# Allegro board HI3516ADMEB_VER_C_PCB.brd (continued)
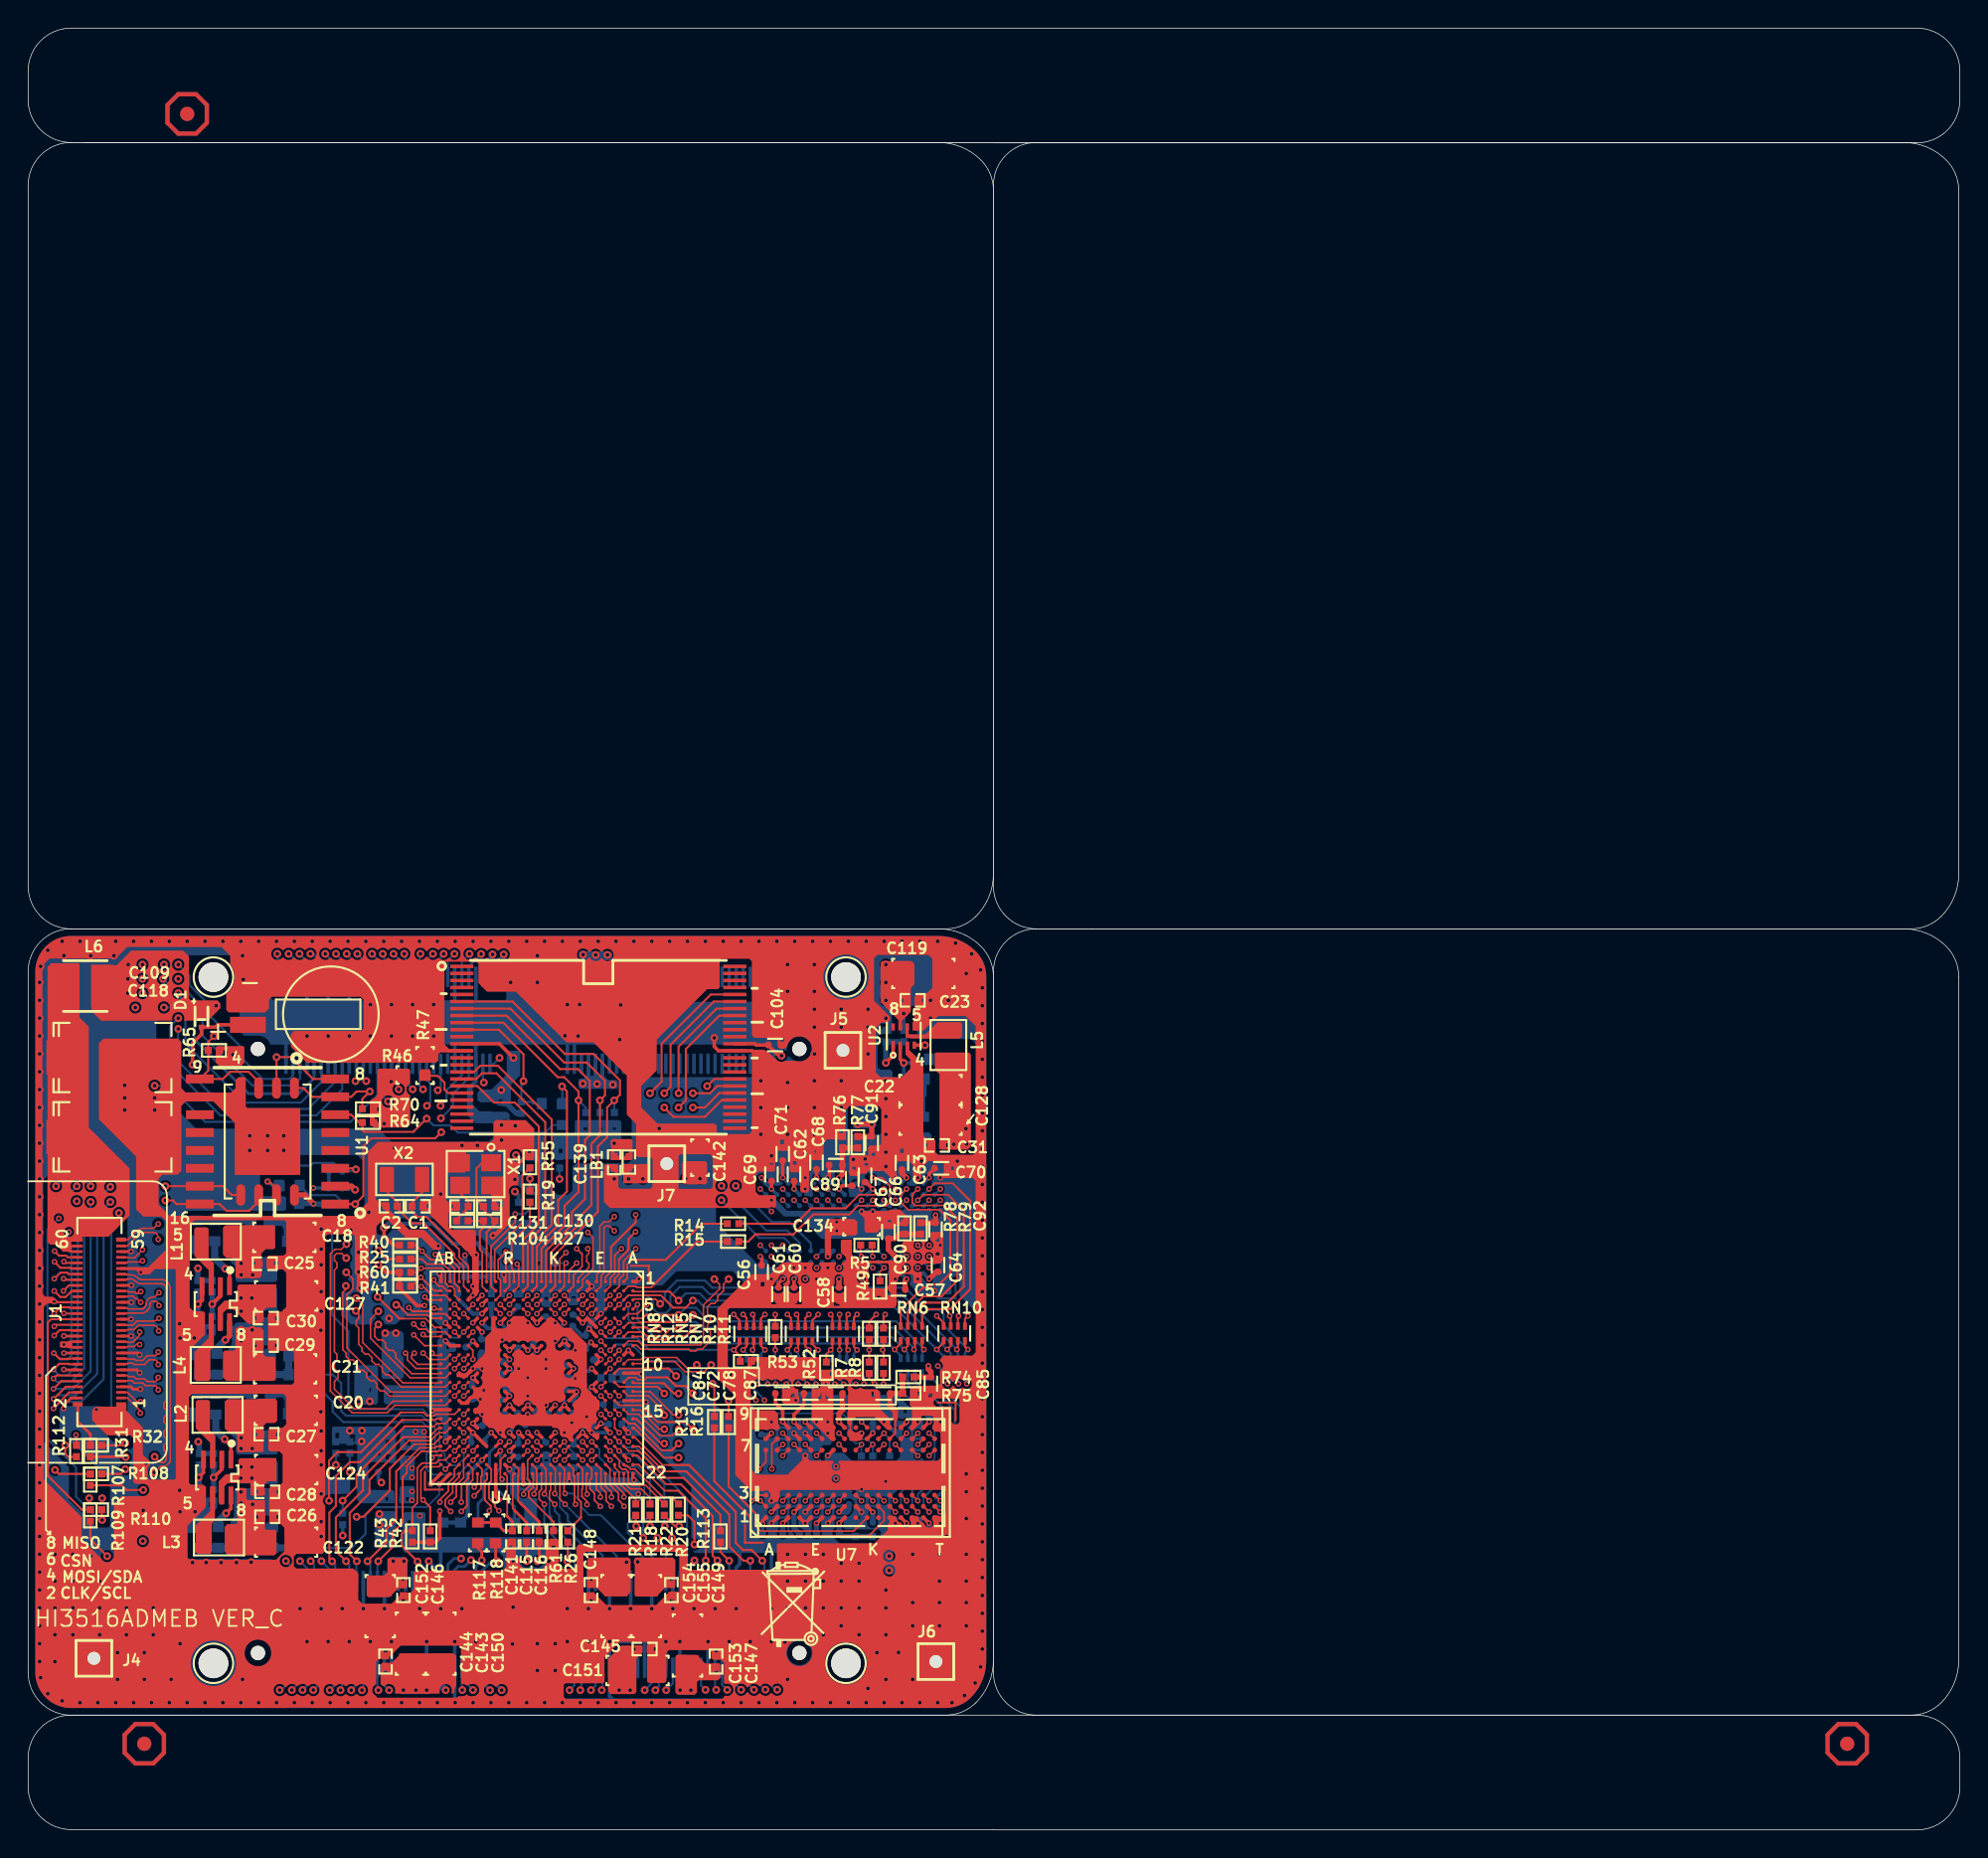
[diagram p0: board, top side]
## Routing (per net, layer and track width the routed paths; a pad name or vN(x,y) marks a point on that pad's centre or on a via; arc(x,y) is an arc through that point) (continued)
  ART06 w0.127: v2(56,31.68) 57.63,30.05 62.14,30.05 62.83,29.36 62.83,28.04 62.84,28.03 62.84,28.03 63.07,27.8 63.07,27.8 63.08,27.78 63.64,27.78 v2(64.03,27.39)
  BOTTOM w0.152: RN3.5 55.74,32.07 56,31.81 v2(56,31.68)
DDR3_1_A12: length 14
  TOP w0.127: U7.N7 v2(61.63,27.39)
  ART03 w0.127: v2(61.63,27.39) 61.35,27.67 61.35,29.4 60.78,29.97 58.65,29.97 57.99,30.63 55.55,30.63 55.19,30.99 52.55,30.99 v2(51.86,31.68)
  BOTTOM w0.152: v2(51.86,31.68) 51.86,31.78 51.57,32.06 RN4.6
DDR3_1_A13: length 15.1
  TOP w0.127: U7.T3 v2(64.83,23.39)
  ART06 w0.127: v2(64.83,23.39) 65.28,23.84 65.28,29.1 63.19,31.19 59.31,31.19 v2(58.82,31.67)
  BOTTOM w0.152: v2(58.82,31.67) 58.66,31.67 58.18,32.15 RN1.6
DDR3_1_A14: length 13.1
  TOP w0.127: U7.T7 v2(64.03,26.59)
  ART03 w0.127: v2(55.36,31.68) 55.87,31.16 58.06,31.16 58.83,30.4 60.96,30.4 61.7,29.66 61.7,28.12 62.83,26.98 63.64,26.98 v2(64.03,26.59)
  BOTTOM w0.152: v2(55.36,31.68) 55.36,31.7 55.23,31.82 RN3.6
DDR3_1_BA0: length 13.6
  TOP w0.127: U7.M2 v2(61.63,22.59)
  ART03 w0.127: v2(66.71,31.7) 66.71,26.59 64.5,24.38 62.83,24.38 62.04,23.59 62.04,23 v2(61.63,22.59)
  BOTTOM w0.152: v2(66.71,31.7) 66.58,31.82 RN9.5
DDR3_1_BA1: length 14.3
  TOP w0.127: U7.N8 v2(62.43,28.19)
  ART03 w0.127: v2(62.43,28.19) 62.03,28.59 62.03,29.94 61.11,30.86 59.03,30.86 58.4,31.48 58.4,31.85 58.1,32.15 52.93,32.15 52.57,31.79 v2(52.57,31.68)
  BOTTOM w0.152: v2(52.57,31.68) 52.57,31.86 52.08,32.35 RN4.5
DDR3_1_BA2: length 16.2
  TOP w0.127: U7.M3 v2(61.63,23.39)
  ART06 w0.127: v2(53.13,31.68) 53.13,31.21 54.9,29.44 55.34,29.44 55.62,29.15 55.62,28.8 55.84,28.58 56.19,28.58 56.42,28.35 56.42,28.03 56.67,27.78 61.01,27.78 61.24,27.56 61.24,27.16 61.63,26.77 v2(61.63,23.39)
  BOTTOM w0.152: R9.2 53.1,31.71 v2(53.13,31.68)
DDR3_1_CAS_N: length 13.9
  TOP w0.127: U7.K3 v2(60.03,23.39)
  ART03 w0.127: v2(65.34,31.7) 65.34,26.57 64.2,25.42 60.83,25.42 60.41,25 60.41,23.77 v2(60.03,23.39)
  BOTTOM w0.152: v2(65.34,31.7) 65.57,31.93 RN9.7
DDR3_1_CKE: length 11.1
  TOP w0.127: U7.K9 v2(59.23,28.99)
  ART03 w0.127: v2(51.73,30.53) 52.59,29.66 57.63,29.66 58.31,28.99 v2(59.23,28.99)
  BOTTOM w0.152: RN4.8 50.56,31.7 v2(51.73,30.53)
DDR3_1_CS_N: length 19.6
  TOP w0.127: U7.L2 60.83,22.59 60.83,21.97 59.74,20.87 51.79,20.87 51.31,21.36 51.31,22.23 51.1,22.44
  TOP w0.152: R13.2 48.77,24.77 51.1,22.44
DDR3_1_RAS_N: length 15
  TOP w0.127: U7.J3 v2(59.23,23.39)
  ART03 w0.127: v2(64.65,32.97) 64.43,32.74 64.43,26.39 63.92,25.88 60.66,25.88 59.79,25.02 59.79,23.95 v2(59.23,23.39)
  BOTTOM w0.152: v2(64.65,32.97) 65.06,32.56 RN9.8
DDR3_1_RESET_N: length 17
  TOP w0.127: U7.T2 v2(64.83,22.59)
  ART06 w0.127: v2(57.34,31.68) 58.59,30.43 62.35,30.43 63.64,29.14 63.64,28.8 63.84,28.6 64.14,28.6 64.47,28.27 64.47,25 63.64,24.16 63.64,23.23 63.87,23 64.42,23 v2(64.83,22.59)
  BOTTOM w0.152: v2(57.34,31.68) 57.16,31.85 RN1.8
DDR3_1_VREF_CA: length 5.6
  TOP w0.152: U7.M8 61.62,28.18 61.62,29.23
  TOP w0.381: 61.62,29.23 61.62,29.74 61.25,30.11 C87.1 R75.1 R74.2
DDR3_1_VREF_DQ: length 3.7
  TOP w0.254: U7.H1 v2(57.63,21.79)
  BOTTOM w0.381: R72.2 R73.1 57.87,20.85 C88.1 57.63,21.09 v2(57.63,21.79)
DDR3_1_WE_N: length 13
  TOP w0.127: U7.L3 v2(60.83,23.39)
  ART03 w0.127: v2(60.83,23.39) 62.36,24.91 64.38,24.91 66.13,26.67 v2(66.13,31.7)
  BOTTOM w0.152: v2(66.13,31.7) 66.08,31.75 RN9.6
DDR3_2_A0: length 21.2
  TOP w0.152: v2(58.91,36.62) 58.69,36.4 RN7.5
  ART03 w0.127: v2(62.43,44.75) 62.83,45.14 62.83,45.74 63.03,45.95 65.06,45.95 66.15,44.85 66.15,38.79 63.41,36.05 59.49,36.05 v2(58.91,36.62)
  BOTTOM w0.127: U8.N3 v2(62.43,44.75)
DDR3_2_A1: length 13.8
  TOP w0.152: v2(53.96,36.62) 54.22,36.37 RN5.8
  ART03 w0.127: v2(63.23,40.75) 63.62,40.35 63.62,39.78 63.39,39.55 63.07,39.55 62.84,39.32 62.84,38.97 62.11,38.25 57.86,38.25 56.85,37.24 54.58,37.24 v2(53.96,36.62)
  BOTTOM w0.152: U8.P7 v2(63.23,40.75)
DDR3_2_A2: length 15
  TOP w0.127: 66.1,44.41 65.37,45.14 63.62,45.14 v2(63.23,44.75)
  TOP w0.152: 66.1,44.41 66.5,44.02 66.5,38.62 65.34,37.46 63.82,37.46 63.03,36.67 RN6.6
  BOTTOM w0.127: U8.P3 v2(63.23,44.75)
DDR3_2_A3: length 15.2
  TOP w0.127: v2(62.43,45.55) 62.04,45.15 62.04,44.58 62.55,44.07 64.8,44.07 65.04,43.83
  TOP w0.152: RN6.8 62.01,36.95 63.59,38.53 63.97,38.53 64.2,38.76 64.74,38.76 65.53,39.55 65.53,43.33 65.04,43.83
  BOTTOM w0.127: U8.N2 v2(62.43,45.55)
DDR3_2_A4: length 6.5
  TOP w0.152: v2(60.27,36.62) 59.78,36.13 R10.2
  ART06 w0.127: v2(63.23,39.95) 62.84,39.55 62.84,38.87 61.06,37.09 60.74,37.09 v2(60.27,36.62)
  BOTTOM w0.127: U8.P8 v2(63.23,39.95)
DDR3_2_A5: length 15.2
  TOP w0.127: v2(63.23,45.55) 62.84,45.15 62.84,44.57 63.04,44.37 65.13,44.37 65.27,44.23
  TOP w0.152: RN6.7 62.52,36.81 63.63,37.92 64.92,37.92 66.04,39.04 66.04,43.46 65.27,44.23
  BOTTOM w0.127: U8.P2 v2(63.23,45.55)
DDR3_2_A6: length 14.7
  TOP w0.152: v2(54.62,36.62) 54.72,36.52 RN5.7
  ART06 w0.127: v2(64.03,39.95) 64.42,39.55 64.42,38.98 60.77,35.33 55.42,35.33 54.62,36.13 v2(54.62,36.62)
  BOTTOM w0.152: U8.R8 v2(64.03,39.95)
DDR3_2_A7: length 15.4
  TOP w0.127: 66.1,45.55 65.71,45.95 64.43,45.95 v2(64.03,45.55)
  TOP w0.152: 66.1,45.55 66.95,44.7 66.95,38.43 65.53,37.01 64.01,37.01 63.54,36.53 RN6.5
  BOTTOM w0.127: U8.R2 v2(64.03,45.55)
DDR3_2_A8: length 7.2
  TOP w0.152: R11.2 60.79,36.5 v2(60.91,36.62)
  ART06 w0.127: v2(60.91,36.62) 61.27,36.62 63.64,39 63.64,40.35 v2(64.03,40.75)
  BOTTOM w0.152: U8.T8 v2(64.03,40.75)
DDR3_2_A9: length 15.8
  TOP w0.152: RN7.7 v2(57.67,36.62)
  ART03 w0.127: v2(64.03,44.75) 64.03,43.12 65.25,41.89 65.25,39.79 62.89,37.42 58.47,37.42 v2(57.67,36.62)
  BOTTOM w0.127: U8.R3 v2(64.03,44.75)
DDR3_2_A10: length 13.8
  TOP w0.152: v2(50.81,36.62) 51.07,36.37 RN8.7
  ART06 w0.127: v2(50.81,36.62) 51.68,37.49 58.51,37.49 60.44,39.42 60.44,40.35 v2(60.83,40.75)
  BOTTOM w0.127: U8.L7 v2(60.83,40.75)
DDR3_2_A11: length 12.2
  TOP w0.152: RN5.5 55.74,36.22 v2(56.15,36.62)
  ART06 w0.127: v2(56.15,36.62) 56.6,36.17 59.16,36.17 59.41,36.42 59.41,37.25 61.17,39.01 61.17,39.27 61.65,39.74 61.65,40.18 62.04,40.57 62.04,40.99 62.59,41.55 v2(63.23,41.55)
  BOTTOM w0.152: U8.R7 v2(63.23,41.55)
DDR3_2_A12: length 16.8
  TOP w0.152: v2(51.5,36.62) 51.57,36.55 RN8.6
  ART06 w0.127: v2(62.43,40.75) 62.43,40.53 62.02,40.13 62.02,38.97 59.85,36.8 59.85,36.03 59.54,35.71 55.64,35.71 55.07,36.28 55.07,36.45 55.07,36.45 55.07,36.8 54.76,37.11 51.98,37.11 v2(51.5,36.62)
  BOTTOM w0.127: U8.N7 v2(62.43,40.75)
DDR3_2_A13: length 15.9
  TOP w0.152: RN7.6 58.18,36.52 v2(58.28,36.62)
  ART03 w0.127: v2(58.28,36.62) 58.7,37.04 63.7,37.04 65.66,39 65.66,43.92 v2(64.83,44.75)
  BOTTOM w0.127: U8.T3 v2(64.83,44.75)
DDR3_2_A14: length 13.3
  TOP w0.152: RN5.6 55.23,36.37 v2(55.49,36.62)
  ART06 w0.127: v2(64.03,41.55) 63.62,41.96 62.08,41.96 61.23,41.11 61.23,39.75 60.81,39.33 60.81,39.18 58.73,37.11 55.97,37.11 v2(55.49,36.62)
  BOTTOM w0.152: U8.T7 v2(64.03,41.55)
DDR3_2_BA0: length 14.3
  TOP w0.152: RN10.5 66.58,36.31 v2(66.79,36.52)
  ART06 w0.127: v2(66.79,36.52) 66.79,43.34 64.98,45.15 62.02,45.15 v2(61.63,45.55)
  BOTTOM w0.127: U8.M2 v2(61.63,45.55)
DDR3_2_BA1: length 13.2
  TOP w0.152: v2(52.37,36.62) 52.08,36.34 RN8.5
  ART03 w0.127: v2(62.43,39.95) 62.29,39.95 61.89,39.55 57.47,39.55 57.24,39.31 57.24,38.88 56.53,38.17 53.91,38.17 v2(52.37,36.62)
  BOTTOM w0.127: U8.N8 v2(62.43,39.95)
DDR3_2_BA2: length 18.1
  TOP w0.152: R12.2 v2(53.1,36.62)
  ART03 w0.127: v2(61.63,44.75) 62.82,43.55 62.82,39.78 62.59,39.55 62.26,39.55 62.02,39.31 62.02,38.98 61.79,38.75 57.73,38.75 56.72,37.74 54.22,37.74 v2(53.1,36.62)
  BOTTOM w0.127: U8.M3 v2(61.63,44.75)
DDR3_2_CAS_N: length 13.1
  TOP w0.152: v2(65.49,36.52) 65.57,36.45 RN10.7
  ART06 w0.127: v2(60.03,44.75) 60.27,44.75 62.1,42.92 64.03,42.92 65.49,41.46 v2(65.49,36.52)
  BOTTOM w0.127: U8.K3 v2(60.03,44.75)
DDR3_2_CKE: length 11.8
  TOP w0.152: RN8.8 50.56,36.22 v2(50.15,36.62)
  ART06 w0.127: v2(50.15,36.62) 51.4,37.87 58.13,37.87 59.23,38.97 v2(59.23,39.15)
  BOTTOM w0.127: U8.K9 v2(59.23,39.15)
DDR3_2_CS_N: length 11.9
  TOP w0.127: 58.42,44.49 59.07,45.14 60.42,45.14 v2(60.83,45.55)
  TOP w0.152: 58.42,44.49 58.1,44.17 55.65,44.17 54.56,43.08 R14.2
  BOTTOM w0.127: U8.L2 v2(60.83,45.55)
DDR3_2_RAS_N: length 13.6
  TOP w0.152: v2(64.58,36.52) 65.06,36.04 RN10.8
  ART06 w0.127: v2(59.23,44.75) 59.63,44.35 60.2,44.35 62.08,42.47 63.73,42.47 64.41,41.78 64.41,40.74 65.07,40.08 65.07,37.02 v2(64.58,36.52)
  BOTTOM w0.127: U8.J3 v2(59.23,44.75)
DDR3_2_RESET_N: length 17.4
  TOP w0.152: v2(57.03,36.62) 57.16,36.5 RN7.8
  ART03 w0.127: v2(57.03,36.62) 58.23,37.82 62.7,37.82 63.64,38.76 63.64,39.31 63.87,39.55 64.2,39.55 64.45,39.8 64.45,41.79 63.64,42.61 63.64,44.91 63.88,45.15 64.44,45.15 v2(64.83,45.55)
  BOTTOM w0.127: U8.T2 v2(64.83,45.55)
DDR3_2_VREF_CA: length 4.5
  TOP w0.381: v2(61.63,40.75) 61.14,41.24 C90.1 61.58,42.02 61.9,42.34 R78.1 R79.2
  BOTTOM w0.254: U8.M8 v2(61.63,40.75)
DDR3_2_VREF_DQ: length 3.9
  TOP w0.381: R77.2 R76.1 C89.1 57.87,46.59 v2(57.63,46.35)
  BOTTOM w0.254: U8.H1 v2(57.63,46.35)
DDR3_2_WE_N: length 13
  TOP w0.152: v2(66.13,36.52) 66.08,36.47 RN10.6
  ART06 w0.127: v2(66.13,36.52) 66.13,41.59 64.39,43.33 62.25,43.33 v2(60.83,44.75)
  BOTTOM w0.127: U8.L3 v2(60.83,44.75)
DDR3_A0_HI3516A: length 18.4
  TOP w0.127: 45.59,35.07 45.54,35.07 45.31,34.85 43.79,34.85 43.58,35.06 U4.A7
  TOP w0.152: 45.59,35.07 46.74,35.07 v1(47.24,35.58) ; RN7.4 58.69,34.34 v2(58.91,34.11)
  ART03 w0.127: v2(58.91,34.11) 57.44,35.58 v1(47.24,35.58)
  BOTTOM w0.152: v2(58.91,34.11) 58.91,34.07 58.69,33.84 RN1.4
DDR3_A1_HI3516A: length 14.9
  TOP w0.127: U4.C5 v2(42.01,36.03)
  TOP w0.152: v2(53.96,34.11) 54.22,34.36 RN5.1
  ART06 w0.127: v2(53.96,34.11) 52.7,35.37 47.8,35.37 47.5,35.07 46.02,35.07 45.07,36.03 v2(42.01,36.03)
  BOTTOM w0.152: RN3.1 54.22,33.86 v2(53.96,34.11)
DDR3_A2_HI3516A: length 24.1
  TOP w0.127: v2(43.96,37.33) 43.3,36.68 42.65,36.68 U4.B5
  TOP w0.152: RN6.3 63.03,34.21 v2(62.96,34.14)
  BOTTOM w0.152: RN2.3 63.03,34.06 v2(62.96,34.14) 62.96,34.23 61.51,35.68 47.86,35.68 47.45,36.09 44.53,36.09 43.96,36.66 v2(43.96,37.33)
DDR3_A3_HI3516A: length 22.9
  TOP w0.127: U4.B4 v2(42.66,37.33)
  TOP w0.152: v2(61.58,34.14) 62.01,34.57 RN6.1
  BOTTOM w0.152: v2(42.66,37.33) 42.66,36.28 44.37,34.57 61.15,34.57 v2(61.58,34.14) 62.01,33.7 RN2.1
DDR3_A4_HI3516A: length 20.8
  TOP w0.127: U4.C9 v2(42.01,34.08)
  TOP w0.152: R10.1 v2(59.78,34.11) R7.1
  ART03 w0.127: v2(59.78,34.11) 58.6,32.93 49.62,32.93 49,33.55 42.54,33.55 v2(42.01,34.08)
DDR3_A5_HI3516A: length 22.8
  TOP w0.127: U4.A4 v2(43.31,37.33)
  TOP w0.152: v2(62.27,34.14) 62.52,34.39 RN6.2
  BOTTOM w0.152: v2(43.31,37.33) 43.31,36.27 44.55,35.02 61.38,35.02 v2(62.27,34.14) 62.52,33.88 RN2.2
DDR3_A6_HI3516A: length 16.6
  TOP w0.127: U4.C3 v2(42.01,37.98)
  TOP w0.152: RN5.2 54.72,34.21 v2(54.62,34.11)
  ART06 w0.127: v2(42.01,37.98) 45.07,37.98 45.47,37.59 45.47,36.6 45.97,36.09 47.83,36.09 48.16,35.75 52.98,35.75 v2(54.62,34.11)
  BOTTOM w0.152: RN3.2 54.72,34.01 v2(54.62,34.11)
DDR3_A7_HI3516A: length 23.6
  TOP w0.127: 43.79,36.47 43.67,36.36 U4.A5
  TOP w0.152: v1(46.23,36.6) 43.92,36.6 43.79,36.47 ; RN6.4 63.54,34.26 v2(63.66,34.14)
  BOTTOM w0.152: RN2.4 63.54,34.01 v2(63.66,34.14) 63.66,34.17 61.7,36.14 48.42,36.14 47.45,37.11 46.74,37.11 v1(46.23,36.6)
DDR3_A8_HI3516A: length 23
  TOP w0.127: U4.D4 v2(41.36,37.33)
  TOP w0.152: R8.1 60.79,34.05 v2(60.73,34.11) 60.79,34.17 R11.1
  ART03 w0.127: v2(41.36,37.33) 41.75,36.94 45.68,36.94 45.85,37.11 47.75,37.11 48.69,36.17 58.67,36.17 v2(60.73,34.11)
DDR3_A9_HI3516A: length 16.6
  TOP w0.152: RN7.2 v2(57.67,34.11) ; U4.A6 43.97,35.71 44.09,35.58 v1(44.86,35.58)
  ART03 w0.127: v1(44.86,35.58) 45.75,34.69 57.09,34.69 v2(57.67,34.11)
  BOTTOM w0.152: RN1.2 v2(57.67,34.11)
DDR3_A10_HI3516A: length 12.1
  TOP w0.127: U4.C6 v2(41.36,35.38)
  TOP w0.152: RN8.2 51.07,34.36 v2(50.81,34.11)
  ART06 w0.127: v2(50.81,34.11) 50.35,34.57 48.54,34.57 48.29,34.31 44.37,34.31 43.69,35 41.74,35 v2(41.36,35.38)
  BOTTOM w0.152: v2(50.81,34.11) 51.07,33.86 RN4.2
DDR3_A11_HI3516A: length 18.6
  TOP w0.127: U4.D6 v2(41.36,36.03)
  TOP w0.152: v2(56.15,34.11) 55.74,34.52 RN5.4
  ART03 w0.127: v2(56.15,34.11) 55.35,33.31 49.78,33.31 49.16,33.93 45.03,33.93 42.55,36.42 41.75,36.42 v2(41.36,36.03)
  BOTTOM w0.152: RN3.4 55.74,33.7 v2(56.15,34.11)
DDR3_A12_HI3516A: length 12
  TOP w0.127: U4.C7 v2(42.01,35.38)
  TOP w0.152: v2(51.49,34.11) 51.57,34.2 RN8.3
  ART06 w0.127: v2(51.49,34.11) 51.21,34.39 51.21,34.41 50.62,34.99 48.03,34.99 47.73,34.69 44.73,34.69 44.04,35.38 v2(42.01,35.38)
  BOTTOM w0.152: v2(51.49,34.11) 51.49,34.04 51.57,33.95 RN4.3
DDR3_A13_HI3516A: length 18.3
  TOP w0.127: U4.B7 42.65,35.37 43.33,35.37 43.69,35.37 43.96,35.1 45.14,35.1 45.59,35.56
  TOP w0.152: v2(58.28,34.11) 58.25,34.14 58.25,34.14 58.18,34.21 RN7.3 ; 45.59,35.56 45.62,35.58 v1(46.23,35.58)
  ART03 w0.127: v1(46.23,35.58) 46.74,35.07 57.31,35.07 v2(58.28,34.11)
  BOTTOM w0.152: RN1.3 58.18,34.01 v2(58.28,34.11)
DDR3_A14_HI3516A: length 18.4
  TOP w0.127: U4.D5 v2(40.71,36.03)
  TOP w0.152: v2(55.49,34.11) 55.23,34.37 RN5.3
  ART03 w0.127: v2(40.71,36.03) 41.35,36.68 42.93,36.68 45.29,34.31 49.31,34.31 49.94,33.69 55.06,33.69 v2(55.49,34.11)
  BOTTOM w0.152: v2(55.49,34.11) 55.23,33.86 RN3.3
DDR3_BA0_HI3516A: length 28.8
  TOP w0.127: v1(44.92,37.39) 44.58,37.72 44.55,37.72 44.54,37.73 43.05,37.73 U4.A3
  TOP w0.152: RN10.4 66.58,34.34 v2(66.79,34.14)
  BOTTOM w0.152: RN9.4 66.58,33.93 v2(66.79,34.14) 65.06,35.87 65.06,36.56 65.06,36.56 65.06,36.65 64.76,36.95 63.91,36.95 62.33,38.53 48.62,38.53 48.11,39.04 46.11,39.04 45.26,38.18 45.26,37.73 v1(44.92,37.39)
DDR3_BA1_HI3516A: length 15
  TOP w0.127: U4.D9 v2(40.71,34.08)
  TOP w0.152: v2(52.37,34.11) 52.08,34.39 RN8.4
  ART06 w0.127: v2(40.71,34.08) 41.08,34.45 41.86,34.45 42.97,34.45 43.87,33.55 48.89,33.55 49.28,33.17 51.92,33.17 52.37,33.62 v2(52.37,34.11)
  BOTTOM w0.152: v2(52.37,34.11) 52.08,33.83 RN4.4
DDR3_BA2_HI3516A: length 15.9
  TOP w0.127: U4.D8 v2(40.71,34.73)
  TOP w0.152: R12.1 v2(53.1,34.11)
  ART06 w0.127: v2(53.1,34.11) 52.67,34.54 52.12,34.54 51.94,34.36 51.94,33.96 51.53,33.55 49.5,33.55 49.12,33.93 44.15,33.93 43.35,34.73 v2(40.71,34.73)
  BOTTOM w0.152: R9.1 v2(53.1,34.11)
DDR3_CAS_N_HI3516A: length 25.9
  TOP w0.127: 45.19,38.25 43.04,38.25 U4.A2
  TOP w0.152: RN10.2 65.57,34.39 v2(65.31,34.14) ; 45.19,38.25 45.59,38.25 v1(46.23,37.61)
  BOTTOM w0.152: RN9.2 65.57,33.88 v2(65.31,34.14) 61.84,37.61 48.24,37.61 47.73,38.12 46.74,38.12 v1(46.23,37.61)
DDR3_CKE_HI3516A: length 13
  TOP w0.127: U4.D7 v2(40.71,35.38)
  TOP w0.152: R53.1 50.61,33.65 v2(50.15,34.11) 50.56,34.52 RN8.1
  BOTTOM w0.152: RN4.1 50.56,33.7 v2(50.15,34.11) 44.13,34.11 43.3,34.95 41.14,34.95 v2(40.71,35.38)
DDR3_CLK0_N: length 22.1
  TOP w0.114: U7.K7 v2(60.03,27.39) ; v1(48.54,33.04) 48.05,32.55 46.68,32.55 45.95,33.28 43.81,33.28 43.66,33.13 43.01,33.13 U4.A10
  BOTTOM w0.114: R6.1 60.03,26.57 v2(60.03,27.39) 59.66,27.76 58.9,27.76 58.57,28.09 58.57,29.28 57.96,29.89 51.66,29.89 48.54,33.02 v1(48.54,33.04)
DDR3_CLK0_P: length 21.9
  TOP w0.114: v1(47.52,33.04) 47.33,32.85 46.8,32.85 46.07,33.57 43.69,33.57 43.54,33.42 42.65,33.42 U4.B10 ; U7.J7 v2(59.23,27.39)
  BOTTOM w0.114: v1(47.52,33.04) 48.03,32.53 48.61,32.53 50.72,30.42 51.54,29.6 57.84,29.6 58.28,29.16 58.28,27.97 58.78,27.47 59.15,27.47 v2(59.23,27.39) 59.22,27.38 R6.2
DDR3_CLK1_N: length 26.1
  TOP w0.114: v1(48.77,39.14) 49.14,38.77 49.14,38.44 47.99,37.3 47.99,34.67 47.78,34.46 43.65,34.46 43.37,34.73 42.66,34.73 U4.B8 ; v2(60.03,40.75) 59.98,40.8 R5.1
  ART06 w0.102: v1(48.77,39.14) 48.89,39.14 49,39.04 49,38.5 49.31,38.19 50.16,38.19 50.39,38.41 58.01,38.41 58.71,39.12 58.71,40.03 59.01,40.33 59.62,40.33 v2(60.03,40.75)
  BOTTOM w0.124: U8.K7 v2(60.03,40.75)
DDR3_CLK1_P: length 25.9
  TOP w0.114: U4.A8 43.02,34.44 43.25,34.44 43.53,34.16 46.94,34.16 47.07,34.03 47.44,34.03 47.57,34.16 47.9,34.16 48.28,34.55 48.28,34.91 48.49,35.11 48.49,35.41 48.28,35.61 48.28,35.9 48.49,36.11 48.49,36.4 48.28,36.61 48.28,37.17 48.52,37.41 48.69,37.41 48.79,37.41 49,37.62 49,37.8 49,37.9 49.43,38.32 49.43,38.78 v1(49.78,39.14) ; v2(59.23,40.75) 59.17,40.81 R5.2
  ART06 w0.102: v1(49.78,39.14) 49.68,39.24 49.43,39.24 49.3,39.11 49.3,38.63 49.44,38.49 50.03,38.49 50.26,38.72 50.58,38.72 50.77,38.91 51.04,38.91 51.23,38.72 51.49,38.72 51.68,38.91 51.95,38.91 52.14,38.72 52.93,38.72 53.07,38.86 53.35,38.86 53.49,38.72 53.8,38.72 53.89,38.81 54.19,38.81 54.28,38.72 54.61,38.72 54.72,38.83 55,38.83 55.12,38.72 57.88,38.72 58.41,39.24 58.41,40.16 58.89,40.64 59.12,40.64 v2(59.23,40.75)
  BOTTOM w0.124: U8.J7 v2(59.23,40.75)
DDR3_CS0_N_HI3516A: length 11.4
  TOP w0.127: U4.C8 v2(41.36,34.08)
  TOP w0.152: R13.1 48.77,31.57 v1(48.64,31.7)
  BOTTOM w0.152: v1(48.64,31.7) 47.96,31.7 46.35,33.3 44.09,33.3 42.9,34.49 41.77,34.49 v2(41.36,34.08)
DDR3_CS1_N_HI3516A: length 9.7
  TOP w0.127: 42.89,40.51 42.58,40.2 42.58,39.2 U4.B1
  TOP w0.152: R14.1 47.88,43.08 45.31,40.51 42.89,40.51
DDR3_DM0: length 16
  TOP w0.127: 43.97,32.15 43.81,32 43.32,32 43.18,32.14 42.67,32.14 U4.B12 ; U7.E7 v2(55.23,27.39)
  TOP w0.152: 43.97,32.15 45.43,32.15 46.04,31.54 46.71,31.54 v1(47.24,31.01)
  ART03 w0.127: v2(55.23,27.39) 54.84,27 51.26,27 v1(47.24,31.01)
DDR3_DM1: length 18.3
  TOP w0.127: U7.D3 v2(54.43,23.39) ; U4.D13 v2(41.36,30.83)
  ART06 w0.127: v2(41.36,30.83) 41.81,30.38 42.93,30.38 44.32,28.98 44.32,27.61 46.76,25.17 53.15,25.17 54.43,23.89 v2(54.43,23.39)
DDR3_DM2: length 25.8
  TOP w0.127: U4.H3 v2(38.11,37.98)
  ART06 w0.127: v1(50.29,45.77) 49.78,45.26 41.4,45.26 40.26,44.12 40.26,40.92 38.11,38.77 v2(38.11,37.98)
  BOTTOM w0.152: v1(50.29,45.77) 52.86,43.2 54.1,43.2 55.63,41.67 U8.E7
DDR3_DM3: length 21.4
  TOP w0.127: U4.F4 v2(40.06,37.33)
  ART03 w0.127: v2(54.43,44.75) 54.43,40.86 53.24,39.67 41.33,39.67 40.44,38.79 40.44,37.71 v2(40.06,37.33)
  BOTTOM w0.127: U8.D3 v2(54.43,44.75)
DDR3_DQ0: length 15.2
  TOP w0.127: U4.A16 43.23,29.21 44.98,27.45 v1(45.21,27.45) ; U7.E3 v2(55.23,23.39)
  ART03 w0.127: v2(55.23,23.39) 54.72,23.9 49.53,23.9 46.48,26.95 45.72,26.95 v1(45.21,27.45)
DDR3_DQ1: length 19.3
  TOP w0.127: U4.D12 v2(40.71,31.48) ; U7.F7 v2(56.03,26.59)
  ART03 w0.127: v2(40.71,31.48) 40.99,31.2 44.33,31.2 45.54,29.99 46.86,29.99 50.81,26.05 52.97,26.05 53,26.02 53.01,26.02 53.22,25.8 55.64,25.8 56.03,26.2 v2(56.03,26.59)
DDR3_DQ2: length 20.5
  TOP w0.127: U4.C13 v2(42.01,30.83) ; U7.F2 v2(56.03,22.59)
  ART03 w0.127: v2(42.01,30.83) 44.04,30.83 44.7,30.17 44.7,27.25 49.77,22.18 55.62,22.18 v2(56.03,22.59)
DDR3_DQ3: length 17
  TOP w0.127: U7.F8 v2(56.03,28.19) ; 43.92,32.79 42.02,32.79 U4.C11
  TOP w0.152: 43.92,32.79 45.51,32.79 v1(46.05,32.25)
  ART03 w0.127: v1(46.05,32.25) 48.85,32.25 52.5,28.6 55.62,28.6 v2(56.03,28.19)
DDR3_DQ4: length 19.8
  TOP w0.127: U4.C14 42.02,30.17 43.56,30.17 44.75,28.98 45.09,28.98 ; U7.H3 v2(57.63,23.39)
  TOP w0.152: v1(47.24,28.47) 46.74,28.98 45.09,28.98
  ART03 w0.127: v2(57.63,23.39) 57.63,24.05 56.44,25.25 50.94,25.25 47.71,28.47 v1(47.24,28.47)
DDR3_DQ5: length 19.1
  TOP w0.127: U4.C10 v2(42.01,33.43) ; U7.H8 v2(57.63,28.19)
  ART03 w0.127: v2(57.63,28.19) 57.24,27.8 51.35,27.8 47.62,31.52 46,31.52 44.6,32.92 42.52,32.92 v2(42.01,33.43)
DDR3_DQ6: length 16.9
  TOP w0.127: U7.G2 v2(56.83,22.59) ; U4.A17 43.07,28.56 45.17,26.45 45.59,26.45
  TOP w0.152: v1(46.23,26.45) 45.59,26.45
  ART03 w0.127: v1(46.23,26.45) 49.7,22.98 56.44,22.98 v2(56.83,22.59)
DDR3_DQ7: length 21
  TOP w0.127: U7.H7 v2(57.63,27.39) ; U4.D11 v2(41.36,32.78)
  ART03 w0.127: v2(57.63,27.39) 56.19,27.39 55.63,26.82 55.63,26.41 55.42,26.21 53.47,26.21 53.24,26.44 51.05,26.44 46.99,30.5 45.97,30.5 45.69,30.78 45.69,31.21 45.01,31.9 42.24,31.9 v2(41.36,32.78)
DDR3_DQ8: length 15.1
  TOP w0.127: v1(45.21,31.01) 44.73,31.49 42,31.49 U4.C12 ; U7.D7 v2(54.43,27.39)
  ART06 w0.127: v1(45.21,31.01) 46.1,30.12 48.21,30.12 50.54,27.8 54.02,27.8 v2(54.43,27.39)
DDR3_DQ9: length 16.3
  TOP w0.127: U4.C15 v2(42.01,29.53) ; U7.C3 v2(53.63,23.39)
  ART06 w0.127: v2(53.63,23.39) 53.63,23.96 52.98,24.61 46.78,24.61 44.07,27.32 44.07,28.67 43.21,29.53 v2(42.01,29.53)
DDR3_DQ10: length 12.7
  TOP w0.127: U4.A12 43.05,31.74 44.98,31.74 ; U7.C8 v2(53.63,28.19)
  TOP w0.152: v1(46.23,31.01) 45.91,31.01 45.17,31.74 44.98,31.74
  ART06 w0.127: v2(53.63,28.19) 53.22,28.6 50.42,28.6 48.51,30.5 46.74,30.5 v1(46.23,31.01)
DDR3_DQ11: length 17.4
  TOP w0.127: U4.D15 v2(41.36,29.53) ; U7.C2 v2(53.63,22.59)
  ART06 w0.127: v2(53.63,22.59) 53.22,23 53.22,23.64 52.82,24.05 46.8,24.05 43.69,27.16 43.69,28.55 43.08,29.16 41.73,29.16 v2(41.36,29.53)
DDR3_DQ12: length 13
  TOP w0.127: v2(51.94,25.65) 52.43,26.14 U7.A7 ; 45.59,26.97 45.02,26.97 43.12,28.87 42.67,28.87 U4.B16
  TOP w0.152: 45.59,26.97 45.75,26.97 v1(46.23,27.45)
  ART06 w0.127: v1(46.23,27.45) 48.03,25.65 v2(51.94,25.65)
DDR3_DQ13: length 15.4
  TOP w0.127: U7.A2 v2(52.03,23.39) ; v2(42.01,28.23) 41.68,28.56 U4.C16
  ART06 w0.127: v2(42.01,28.23) 42.38,28.6 42.81,28.6 43.05,28.36 43.05,26.72 46.89,22.88 51.52,22.88 v2(52.03,23.39)
DDR3_DQ14: length 18.6
  TOP w0.127: U4.D14 v2(40.71,30.83) ; U7.B8 52.86,27.41 v2(52.86,25.65)
  ART06 w0.127: v2(40.71,30.83) 41.14,31.26 43.71,31.26 44.7,30.27 44.7,28.22 44.96,27.96 47.09,27.96 48.95,26.11 52.4,26.11 v2(52.86,25.65)
DDR3_DQ15: length 15.8
  TOP w0.127: U7.A3 51.81,23.79 51.51,23.49 ; U4.D16 v2(40.71,29.53)
  TOP w0.152: 51.51,23.49 v2(51.41,23.39)
  ART06 w0.127: v2(51.41,23.39) 51.02,23.39 51.01,23.39 49.87,23.39 46.92,23.39 43.38,26.93 43.38,28.46 42.97,28.87 41.37,28.87 v2(40.71,29.53)
DDR3_DQ16: length 22.6
  TOP w0.127: U4.G3 v2(39.41,37.98)
  ART06 w0.127: v2(39.41,37.98) 39.41,38.64 41.05,40.28 41.05,43.83 41.69,44.47 48.13,44.47 48.74,43.86 50.44,43.86 50.93,44.35 54.83,44.35 v2(55.23,44.75)
  BOTTOM w0.127: U8.E3 v2(55.23,44.75)
DDR3_DQ17: length 18.2
  TOP w0.127: U4.D3 v2(41.36,37.98)
  ART06 w0.127: v2(56.03,40.75) 56.4,40.38 56.4,39.79 56.13,39.52 53.47,39.52 53.09,39.9 47.24,39.9 45.72,38.38 41.75,38.38 v2(41.36,37.98)
  BOTTOM w0.152: U8.F7 v2(56.03,40.75)
DDR3_DQ18: length 25.1
  TOP w0.127: U4.F3 v2(39.41,37.33)
  ART06 w0.127: v2(39.41,37.33) 38.99,37.75 38.99,38.99 40.64,40.64 40.64,43.96 41.53,44.85 48.31,44.85 48.92,44.24 49.94,44.24 50.81,45.11 55.6,45.11 v2(56.03,45.55)
  BOTTOM w0.127: U8.F2 v2(56.03,45.55)
DDR3_DQ19: length 19
  TOP w0.127: U4.E4 v2(40.06,36.68)
  ART06 w0.127: v2(40.06,36.68) 40.89,37.52 40.89,38.12 42.42,39.65 46.07,39.65 46.74,40.31 55.66,40.31 v2(56.03,39.95)
  BOTTOM w0.152: U8.F8 v2(56.03,39.95)
DDR3_DQ20: length 20.6
  TOP w0.127: v2(43.18,41.3) 43.18,41.27 42.32,40.42 42.32,39.44 42.02,39.14 42.02,38.64 U4.C2
  ART06 w0.127: v2(57.63,44.75) 57.63,43.89 56.06,42.31 46.35,42.31 45.34,41.3 v2(43.18,41.3)
  BOTTOM w0.127: U8.H3 v2(57.63,44.75)
DDR3_DQ21: length 20.8
  TOP w0.127: U4.E3 v2(40.06,37.98)
  ART06 w0.127: v2(40.06,37.98) 42.26,40.18 45.88,40.18 46.86,41.17 57.02,41.17 57.26,40.93 57.26,40.31 v2(57.63,39.95)
  BOTTOM w0.127: U8.H8 v2(57.63,39.95)
DDR3_DQ22: length 21.1
  TOP w0.127: U4.C1 41.68,39.16 41.99,39.47 41.99,40.54
  TOP w0.152: 41.99,40.54 42.67,41.22 42.67,42 v2(43.17,42.5)
  ART06 w0.127: v2(43.17,42.5) 45.75,42.5 45.94,42.69 55.88,42.69 57.25,44.06 57.25,45.13 v2(56.83,45.55)
  BOTTOM w0.127: U8.G2 v2(56.83,45.55)
DDR3_DQ23: length 20.9
  TOP w0.127: v2(42.16,41.3) 41.69,40.83 41.69,39.53 41.37,39.2 41.37,38.64 U4.D2
  ART06 w0.127: v2(42.16,41.3) 42.67,40.79 45.59,40.79 46.74,41.93 56.84,41.93 57.63,41.14 v2(57.63,40.75)
  BOTTOM w0.127: U8.H7 v2(57.63,40.75)
DDR3_DQ24: length 27
  TOP w0.127: U4.J3 v2(37.46,37.33)
  ART03 w0.127: v1(49.28,45.77) 40.53,45.77 37.06,42.29 37.06,37.73 v2(37.46,37.33)
  BOTTOM w0.152: U8.D7 54.83,41.71 53.95,42.59 52.45,42.59 v1(49.28,45.77)
DDR3_DQ25: length 17.1
  TOP w0.127: 41.43,40.1 41.43,39.67 41.03,39.27 U4.D1
  TOP w0.152: v2(43.18,43.71) 43.18,43.18 41.43,41.42 41.43,40.1
  ART03 w0.127: v2(53.63,44.75) 53.26,44.38 52.61,44.38 51.94,43.71 v2(43.18,43.71)
  BOTTOM w0.127: U8.C3 v2(53.63,44.75)
DDR3_DQ26: length 23.3
  TOP w0.127: U4.J1 37.78,40.58 v2(38.23,41.02)
  ART03 w0.127: v1(49.28,44.75) 40.82,44.75 38.23,42.16 v2(38.23,41.02)
  BOTTOM w0.127: U8.C8 54.44,40.76 54.44,41.36 54.31,41.49
  BOTTOM w0.152: v1(49.28,44.75) 51.97,42.06 53.74,42.06 54.31,41.49
DDR3_DQ27: length 23.1
  TOP w0.127: U4.H4 v2(38.11,36.68)
  ART03 w0.127: v2(53.63,45.55) 53.26,45.18 52.47,45.18 51.51,44.22 40.89,44.22 38.61,41.94 38.61,39.27 38.73,39.14 38.73,37.31 v2(38.11,36.68)
  BOTTOM w0.127: U8.C2 v2(53.63,45.55)
DDR3_DQ28: length 17.6
  TOP w0.127: U4.H2 38.76,38.63 38.76,39.42 39.37,40.03 39.37,40.92 v2(38.99,41.3)
  ART03 w0.127: v2(38.99,41.3) 39.37,40.92 50.88,40.92 51.5,41.55 v2(52.03,41.55)
  BOTTOM w0.13: U8.A7 v2(52.03,41.55)
DDR3_DQ29: length 22
  TOP w0.127: U4.J4 v2(38.11,37.33)
  ART03 w0.127: v2(52.03,45.55) 51.75,45.26 40.69,45.26 37.82,42.39 37.82,38.92 38.48,38.26 38.48,37.7 v2(38.11,37.33)
  BOTTOM w0.127: U8.A2 v2(52.03,45.55)
